# KiCad board demomatrix.kicad_pcb (continued)
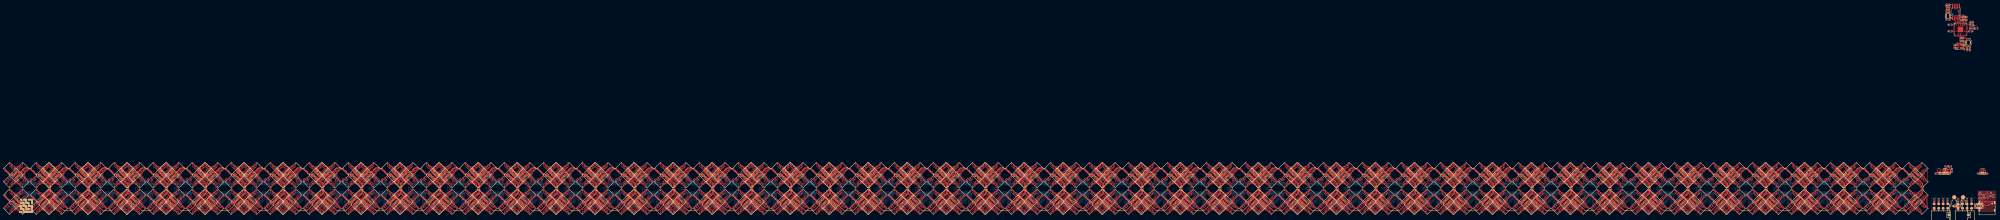
[diagram p0: board, top side]
## Nets (continued)
GND: C1.2 C2.2 C3.2 C4.2 C5.2 C6.2 C7.2 C8.2 C9.2 C10.2 C11.2 C12.2 C13.2 C14.2 C15.2 C16.2 C17.2 C18.2 C19.2 C20.2 C21.2 C22.2 C23.2 C24.2 C25.2 C26.2 C27.2 C28.2 C29.2 C30.2 C31.2 C32.2 C33.2 C34.2 C35.2 C36.2 C37.2 C38.2 C39.2 C40.2 C41.2 C42.2 C43.2 C44.2 C45.2 C46.2 C47.2 C48.2 C49.2 C50.2 C51.2 C52.2 C53.2 C54.2 C55.2 C56.2 C57.2 C58.2 C59.2 C60.2 C61.2 C62.2 C63.2 C64.2 C65.2 C66.2 C67.2 C68.2 C69.2 C70.2 C71.2 C72.2 C73.2 C74.2 C75.2 C76.2 C77.2 C78.2 C79.2 C80.2 C81.2 C82.2 C83.2 C84.2 C85.2 C86.2 C87.2 C88.2 C89.2 C90.2 C91.2 C92.2 C93.2 C94.2 C95.2 C96.2 C97.2 C98.2 C99.2 C100.2 C101.2 C102.2 C103.2 C104.2 C105.2 C106.2 C107.2 C108.2 C109.2 C110.2 C111.2 C112.2 C113.2 C114.2 C115.2 C116.2 C117.2 C118.2 C119.2 C120.2 C121.2 C122.2 C123.2 C124.2 C125.2 C126.2 C127.2 C128.2 C129.2 C130.2 C131.2 C132.2 C133.2 C134.2 C135.2 C136.2 C137.2 C138.2 C139.2 C140.2 C141.2 C142.2 C143.2 C144.2 C145.2 C146.2 C147.2 C148.2 C149.2 C150.2 C151.2 C152.2 C153.2 C154.2 C155.2 C156.2 C157.2 C158.2 C159.2 C160.2 C161.2 C162.2 C163.2 C164.2 C165.2 C166.2 C167.2 C168.2 C169.2 C170.2 C171.2 C172.2 C173.2 C174.2 C175.2 C176.2 C177.2 C178.2 C179.2 C180.2 C181.2 C182.2 C183.2 C184.2 C185.2 C186.2 C187.2 C188.2 C189.2 C190.2 C191.2 C192.2 C193.2 C194.2 C195.2 C196.2 C197.2 C198.2 C199.2 C200.2 C201.2 C202.2 C203.2 C204.2 C205.2 C206.2 C207.2 C208.2 C209.2 C210.2 C211.2 C212.2 C213.2 C214.2 C215.2 C216.2 C217.2 C218.2 C219.2 C220.2 C221.2 C222.2 C223.2 C224.2 C225.2 C226.2 C227.2 C228.2 C229.2 C230.2 C231.2 C232.2 C233.2 C234.2 C235.2 C236.2 C237.2 C238.2 C239.2 C240.2 C241.2 C242.2 C243.2 C244.2 C245.2 C246.2 C247.2 C248.2 C249.2 C250.2 C251.2 C252.2 C253.2 C254.2 C255.2 C256.2 C257.2 C258.2 C259.2 C260.2 C261.2 C262.2 C263.2 C264.2 C265.2 C266.2 C267.2 C268.2 C269.2 C270.2 C271.2 C272.2 C273.2 C274.2 C275.2 C276.2 C277.2 C278.2 C279.2 C280.2 C281.2 C282.2 C283.2 C284.2 C285.2 C286.2 C287.2 C288.2 C289.2 C290.2 C291.2 C292.2 C293.2 C294.2 C295.2 C296.2 C297.2 C298.2 C299.2 C300.2 C301.2 C302.2 C303.2 C304.2 C305.2 C306.2 C307.2 C308.2 C309.2 C310.2 C311.2 C312.2 C313.2 C314.2 C315.2 C316.2 C317.2 C318.2 C319.2 C320.2 C321.2 C322.2 C323.2 C324.2 C325.2 C326.2 C327.2 C328.2 C329.2 C330.2 C331.2 C332.2 C333.2 C334.2 C335.2 C336.2 C337.2 C338.2 C339.2 C340.2 C341.2 C342.2 C343.2 C344.2 C345.2 C346.2 C347.2 C348.2 C349.2 C350.2 C351.2 C352.2 C353.2 C354.2 C355.2 C356.2 C357.2 C358.2 C359.2 C360.2 C361.2 C362.2 C363.2 C364.2 C365.2 C366.2 C367.2 C368.2 C369.2 C370.2 C371.2 C372.2 C373.2 C374.2 C375.2 C376.2 C377.2 C378.2 C379.2 C380.2 C381.2 C382.2 C383.2 C384.2 C385.2 C386.2 C387.2 C388.2 C389.2 C390.2 C391.2 C392.2 C393.2 C394.2 C395.2 C396.2 C397.2 C398.2 C399.2 C400.2 C401.2 C402.2 C403.2 C404.2 C405.2 C406.2 C407.2 C408.2 C409.2 C410.2 C411.2 C412.2 C413.2 C414.2 C415.2 C416.2 C417.2 C418.2 C419.2 C420.2 C421.2 C422.2 C423.2 C424.2 C425.2 C426.2 C427.2 C428.2 C429.2 C430.2 C431.2 C432.2 C433.2 C434.2 C435.2 C436.2 C437.2 C438.2 C439.2 C440.2 C441.2 C442.2 C443.2 C444.2 C445.2 C446.2 C447.2 C448.2 C449.2 C450.2 C451.2 C452.2 C453.2 C454.2 C455.2 C456.2 C457.2 C458.2 C459.2 C460.2 C461.2 C462.2 C463.2 C464.2 C465.2 C466.2 C467.2 C468.2 C469.2 C470.2 CN1.2 D1.2 R1.2 R2.2 R3.2 R4.2 R5.2 R6.2 R7.2 R8.2 R9.2 R10.2 R11.2 R12.2 R13.2 R14.2 R15.2 R16.2 R17.2 R18.2 R19.2 R20.2 R21.2 R22.2 R23.2 R24.2 R25.2 R26.2 R27.2 R28.2 R29.2 R30.2 R31.2 R32.2 R33.2 R34.2 R35.2 R36.2 R37.2 R38.2 R39.2 R40.2 R41.2 R42.2 R43.2 R44.2 R45.2 R46.2 R47.2 R48.2 R49.2 R58.2 R60.2 R61.2 R64.1 R69.2 R70.2 SW1.1 SW1.2 SW2.1 SW2.2 SW3.3 SW3.4 SW4.3 SW4.4 U1.1 U6.1 U11.1 U16.1 U21.1 U26.1 U31.1 U36.1 U41.1 U46.1 U51.1 U56.1 U61.1 U66.1 U71.1 U76.1 U81.1 U86.1 U91.1 U96.1 U101.1 U106.1 U111.1 U116.1 U121.1 U126.1 U131.1 U136.1 U141.1 U146.1 U151.1 U156.1 U161.1 U166.1 U171.1 U176.1 U181.1 U186.1 U191.1 U196.1 U201.1 U206.1 U211.1 U216.1 U221.1 U226.1 U231.1 U236.1 U241.1 U246.2 U247.1 U247.3 U247.5 U247.7 U248.1 U248.3 U248.5 U248.7 U249.2 U250.2 U251.2 U252.19 U252.57 U253.4 U254.2 U255.2 U255.5 USB1.1 USB1.12 USB1.13 USB1.14 USB1.15 USB1.16 X1.2 X1.4
_3: CN1.3
_core_regulator_out_power-VCC: C451.1 C452.1 C453.1 U252.23 U252.45 U252.50
A: LED787.2 U252.37
B: U252.6 U255.4
cc[0]-line: R69.1 USB1.4
cc[1]-line: R70.1 USB1.10
chip_select: C450.1 R62.2 SW1.3 SW1.4 SW3.1 SW3.2 U252.56 U253.1
clock: U252.52 U253.6
clusters[0]-REXT: R1.1 U1.23
clusters[1]-REXT: R2.1 U6.23
clusters[2]-REXT: R3.1 U11.23
clusters[3]-REXT: R4.1 U16.23
clusters[4]-REXT: R5.1 U21.23
clusters[5]-REXT: R6.1 U26.23
clusters[6]-REXT: R7.1 U31.23
clusters[7]-REXT: R8.1 U36.23
clusters[8]-REXT: R9.1 U41.23
clusters[9]-REXT: R10.1 U46.23
clusters[10]-REXT: R11.1 U51.23
clusters[11]-REXT: R12.1 U56.23
clusters[12]-REXT: R13.1 U61.23
clusters[13]-REXT: R14.1 U66.23
clusters[14]-REXT: R15.1 U71.23
clusters[15]-REXT: R16.1 U76.23
clusters[16]-REXT: R17.1 U81.23
clusters[17]-REXT: R18.1 U86.23
clusters[18]-REXT: R19.1 U91.23
clusters[19]-REXT: R20.1 U96.23
clusters[20]-REXT: R21.1 U101.23
clusters[21]-REXT: R22.1 U106.23
clusters[22]-REXT: R23.1 U111.23
clusters[23]-REXT: R24.1 U116.23
clusters[24]-REXT: R25.1 U121.23
clusters[25]-REXT: R26.1 U126.23
clusters[26]-REXT: R27.1 U131.23
clusters[27]-REXT: R28.1 U136.23
clusters[28]-REXT: R29.1 U141.23
clusters[29]-REXT: R30.1 U146.23
clusters[30]-REXT: R31.1 U151.23
clusters[31]-REXT: R32.1 U156.23
clusters[32]-REXT: R33.1 U161.23
clusters[33]-REXT: R34.1 U166.23
clusters[34]-REXT: R35.1 U171.23
clusters[35]-REXT: R36.1 U176.23
clusters[36]-REXT: R37.1 U181.23
clusters[37]-REXT: R38.1 U186.23
clusters[38]-REXT: R39.1 U191.23
clusters[39]-REXT: R40.1 U196.23
clusters[40]-REXT: R41.1 U201.23
clusters[41]-REXT: R42.1 U206.23
clusters[42]-REXT: R43.1 U211.23
clusters[43]-REXT: R44.1 U216.23
clusters[44]-REXT: R45.1 U221.23
clusters[45]-REXT: R46.1 U226.23
clusters[46]-REXT: R47.1 U231.23
clusters[47]-REXT: R48.1 U236.23
clusters[48]-REXT: R49.1 U241.23
data_0: U252.53 U253.5
data_1: U252.55 U253.2
data_2: U252.54 U253.3
data_3: U252.51 U253.7
data_clock: R52.1 U1.3 U6.3 U11.3 U16.3 U21.3 U26.3 U31.3 U36.3 U41.3 U46.3 U51.3 U56.3 U61.3 U66.3 U71.3 U76.3 U81.3 U86.3 U91.3 U96.3 U101.3 U106.3 U111.3 U116.3 U121.3 U126.3 U131.3 U136.3 U141.3 U146.3 U151.3 U156.3 U161.3 U166.3 U171.3 U176.3 U181.3 U186.3 U191.3 U196.3 U201.3 U206.3 U211.3 U216.3 U221.3 U226.3 U231.3 U236.3 U241.3 U246.4
debug_header-_2-0: R50.2 U247.2
debug_header-_2-1: R54.2 U248.2
debug_header-_4-0: R51.2 U247.4
debug_header-_4-1: R55.2 U248.4
debug_header-_6-0: R52.2 U247.6
debug_header-_6-1: R56.2 U248.6
debug_header-_8-0: R53.2 U247.8
debug_header-_8-1: R57.2 U248.8
driver-sdi-SDI-0: U176.2
driver-sdi-SDI-1: U216.2
driver-sdo-line-0: U1.22 U6.2
driver-sdo-line-1: U46.22 U51.2
driver-sdo-line-2: U51.22 U56.2
driver-sdo-line-3: U56.22 U61.2
driver-sdo-line-4: U61.22 U66.2
driver-sdo-line-5: U66.22 U71.2
driver-sdo-line-6: U71.22 U76.2
driver-sdo-line-7: U76.22 U81.2
driver-sdo-line-8: U81.22 U86.2
driver-sdo-line-9: U86.22 U91.2
driver-sdo-line-10: U91.22 U96.2
driver-sdo-line-11: U96.22 U101.2
driver-sdo-line-12: U6.22 U11.2
driver-sdo-line-13: U101.22 U106.2
driver-sdo-line-14: U106.22 U111.2
driver-sdo-line-15: U111.22 U116.2
driver-sdo-line-16: U116.22 U121.2
driver-sdo-line-17: U121.22 U126.2
driver-sdo-line-18: U126.22 U131.2
driver-sdo-line-19: U131.22 U136.2
driver-sdo-line-20: U136.22 U141.2
driver-sdo-line-21: U141.22 U146.2
driver-sdo-line-22: U146.22 U151.2
driver-sdo-line-23: U11.22 U16.2
driver-sdo-line-24: U151.22 U156.2
driver-sdo-line-25: U156.22 U161.2
driver-sdo-line-26: U161.22 U166.2
driver-sdo-line-27: U166.22 U171.2
driver-sdo-line-28: U176.22 U181.2
driver-sdo-line-29: U181.22 U186.2
driver-sdo-line-30: U186.22 U191.2
driver-sdo-line-31: U191.22 U196.2
driver-sdo-line-32: U196.22 U201.2
driver-sdo-line-33: U16.22 U21.2
driver-sdo-line-34: U201.22 U206.2
driver-sdo-line-35: U206.22 U211.2
driver-sdo-line-36: U216.22 U221.2
driver-sdo-line-37: U221.22 U226.2
driver-sdo-line-38: U226.22 U231.2
driver-sdo-line-39: U231.22 U236.2
driver-sdo-line-40: U236.22 U241.2
driver-sdo-line-41: U21.22 U26.2
driver-sdo-line-42: U26.22 U31.2
driver-sdo-line-43: U31.22 U36.2
driver-sdo-line-44: U36.22 U41.2
driver-sdo-line-45: U41.22 U46.2
driver-sdo-SDO-0: U171.22
driver-sdo-SDO-1: U211.22
footprint-_4: CN1.4
footprint-cathode-0: LED785.1 R60.1
footprint-cathode-1: LED786.1 R61.1
global_clock: R53.1 U1.21 U6.21 U11.21 U16.21 U21.21 U26.21 U31.21 U36.21 U41.21 U46.21 U51.21 U56.21 U61.21 U66.21 U71.21 U76.21 U81.21 U86.21 U91.21 U96.21 U101.21 U106.21 U111.21 U116.21 U121.21 U126.21 U131.21 U136.21 U141.21 U146.21 U151.21 U156.21 U161.21 U166.21 U171.21 U176.21 U181.21 U186.21 U191.21 U196.21 U201.21 U206.21 U211.21 U216.21 U221.21 U226.21 U231.21 U236.21 U241.21 U249.4
GPIO5: U252.7
GPIO6: U252.8
GPIO7: U252.9
GPIO8: U252.11
GPIO9: U252.12
GPIO10: U252.13
GPIO11: U252.14
GPIO12: U252.15
GPIO13: U252.16
GPIO14: U252.17
GPIO15: U252.18
GPIO16: U252.27
GPIO17: U252.28
GPIO21: U252.32
GPIO22: U252.34
GPIO23: U252.35
GPIO24: U252.36
gpio[26]-line: U252.38
gpio[27]-line: U252.39
gpio[28]-line: U252.40
gpio[29]-line: U252.41
headers[1]-uart-RX: R57.1
input: C465.1 R65.2 R68.1 SW2.3 SW2.4 SW4.1 SW4.2 U252.26
K: LED787.1 R64.2
latch: R54.1 U1.4 U6.4 U11.4 U16.4 U21.4 U26.4 U31.4 U36.4 U41.4 U46.4 U51.4 U56.4 U61.4 U66.4 U71.4 U76.4 U81.4 U86.4 U91.4 U96.4 U101.4 U106.4 U111.4 U116.4 U121.4 U126.4 U131.4 U136.4 U141.4 U146.4 U151.4 U156.4 U161.4 U166.4 U171.4 U176.4 U181.4 U186.4 U191.4 U196.4 U201.4 U206.4 U211.4 U216.4 U221.4 U226.4 U231.4 U236.4 U241.4 U250.4
micro-uart-RX: U246.3 U252.3
output: C455.1 R63.1 X1.3
power_5v: C9.1 C18.1 C27.1 C36.1 C45.1 C54.1 C63.1 C72.1 C81.1 C90.1 C99.1 C108.1 C117.1 C126.1 C135.1 C144.1 C153.1 C162.1 C171.1 C180.1 C189.1 C198.1 C207.1 C216.1 C225.1 C234.1 C243.1 C252.1 C261.1 C270.1 C279.1 C288.1 C297.1 C306.1 C315.1 C324.1 C333.1 C342.1 C351.1 C360.1 C369.1 C378.1 C387.1 C396.1 C405.1 C414.1 C423.1 C432.1 C441.1 C443.1 C445.1 C447.1 C448.1 C467.1 C468.1 C470.1 D1.5 F1.2 LED786.2 R55.1 U1.24 U6.24 U11.24 U16.24 U21.24 U26.24 U31.24 U36.24 U41.24 U46.24 U51.24 U56.24 U61.24 U66.24 U71.24 U76.24 U81.24 U86.24 U91.24 U96.24 U101.24 U106.24 U111.24 U116.24 U121.24 U126.24 U131.24 U136.24 U141.24 U146.24 U151.24 U156.24 U161.24 U166.24 U171.24 U176.24 U181.24 U186.24 U191.24 U196.24 U201.24 U206.24 U211.24 U216.24 U221.24 U226.24 U231.24 U236.24 U241.24 U246.6 U249.6 U250.6 U251.1 U251.3 U254.6 U255.1
power_leds: C1.1 C2.1 C3.1 C4.1 C5.1 C6.1 C7.1 C8.1 C10.1 C11.1 C12.1 C13.1 C14.1 C15.1 C16.1 C17.1 C19.1 C20.1 C21.1 C22.1 C23.1 C24.1 C25.1 C26.1 C28.1 C29.1 C30.1 C31.1 C32.1 C33.1 C34.1 C35.1 C37.1 C38.1 C39.1 C40.1 C41.1 C42.1 C43.1 C44.1 C46.1 C47.1 C48.1 C49.1 C50.1 C51.1 C52.1 C53.1 C55.1 C56.1 C57.1 C58.1 C59.1 C60.1 C61.1 C62.1 C64.1 C65.1 C66.1 C67.1 C68.1 C69.1 C70.1 C71.1 C73.1 C74.1 C75.1 C76.1 C77.1 C78.1 C79.1 C80.1 C82.1 C83.1 C84.1 C85.1 C86.1 C87.1 C88.1 C89.1 C91.1 C92.1 C93.1 C94.1 C95.1 C96.1 C97.1 C98.1 C100.1 C101.1 C102.1 C103.1 C104.1 C105.1 C106.1 C107.1 C109.1 C110.1 C111.1 C112.1 C113.1 C114.1 C115.1 C116.1 C118.1 C119.1 C120.1 C121.1 C122.1 C123.1 C124.1 C125.1 C127.1 C128.1 C129.1 C130.1 C131.1 C132.1 C133.1 C134.1 C136.1 C137.1 C138.1 C139.1 C140.1 C141.1 C142.1 C143.1 C145.1 C146.1 C147.1 C148.1 C149.1 C150.1 C151.1 C152.1 C154.1 C155.1 C156.1 C157.1 C158.1 C159.1 C160.1 C161.1 C163.1 C164.1 C165.1 C166.1 C167.1 C168.1 C169.1 C170.1 C172.1 C173.1 C174.1 C175.1 C176.1 C177.1 C178.1 C179.1 C181.1 C182.1 C183.1 C184.1 C185.1 C186.1 C187.1 C188.1 C190.1 C191.1 C192.1 C193.1 C194.1 C195.1 C196.1 C197.1 C199.1 C200.1 C201.1 C202.1 C203.1 C204.1 C205.1 C206.1 C208.1 C209.1 C210.1 C211.1 C212.1 C213.1 C214.1 C215.1 C217.1 C218.1 C219.1 C220.1 C221.1 C222.1 C223.1 C224.1 C226.1 C227.1 C228.1 C229.1 C230.1 C231.1 C232.1 C233.1 C235.1 C236.1 C237.1 C238.1 C239.1 C240.1 C241.1 C242.1 C244.1 C245.1 C246.1 C247.1 C248.1 C249.1 C250.1 C251.1 C253.1 C254.1 C255.1 C256.1 C257.1 C258.1 C259.1 C260.1 C262.1 C263.1 C264.1 C265.1 C266.1 C267.1 C268.1 C269.1 C271.1 C272.1 C273.1 C274.1 C275.1 C276.1 C277.1 C278.1 C280.1 C281.1 C282.1 C283.1 C284.1 C285.1 C286.1 C287.1 C289.1 C290.1 C291.1 C292.1 C293.1 C294.1 C295.1 C296.1 C298.1 C299.1 C300.1 C301.1 C302.1 C303.1 C304.1 C305.1 C307.1 C308.1 C309.1 C310.1 C311.1 C312.1 C313.1 C314.1 C316.1 C317.1 C318.1 C319.1 C320.1 C321.1 C322.1 C323.1 C325.1 C326.1 C327.1 C328.1 C329.1 C330.1 C331.1 C332.1 C334.1 C335.1 C336.1 C337.1 C338.1 C339.1 C340.1 C341.1 C343.1 C344.1 C345.1 C346.1 C347.1 C348.1 C349.1 C350.1 C352.1 C353.1 C354.1 C355.1 C356.1 C357.1 C358.1 C359.1 C361.1 C362.1 C363.1 C364.1 C365.1 C366.1 C367.1 C368.1 C370.1 C371.1 C372.1 C373.1 C374.1 C375.1 C376.1 C377.1 C379.1 C380.1 C381.1 C382.1 C383.1 C384.1 C385.1 C386.1 C388.1 C389.1 C390.1 C391.1 C392.1 C393.1 C394.1 C395.1 C397.1 C398.1 C399.1 C400.1 C401.1 C402.1 C403.1 C404.1 C406.1 C407.1 C408.1 C409.1 C410.1 C411.1 C412.1 C413.1 C415.1 C416.1 C417.1 C418.1 C419.1 C420.1 C421.1 C422.1 C424.1 C425.1 C426.1 C427.1 C428.1 C429.1 C430.1 C431.1 C433.1 C434.1 C435.1 C436.1 C437.1 C438.1 C439.1 C440.1 CN1.1 LED1.2 LED1.4 LED1.6 LED1.8 LED5.2 LED5.4 LED5.6 LED5.8 LED9.2 LED9.4 LED9.6 LED9.8 LED13.2 LED13.4 LED13.6 LED13.8 LED17.2 LED17.4 LED17.6 LED17.8 LED21.2 LED21.4 LED21.6 LED21.8 LED25.2 LED25.4 LED25.6 LED25.8 LED29.2 LED29.4 LED29.6 LED29.8 LED33.2 LED33.4 LED33.6 LED33.8 LED37.2 LED37.4 LED37.6 LED37.8 LED41.2 LED41.4 LED41.6 LED41.8 LED45.2 LED45.4 LED45.6 LED45.8 LED49.2 LED49.4 LED49.6 LED49.8 LED53.2 LED53.4 LED53.6 LED53.8 LED57.2 LED57.4 LED57.6 LED57.8 LED61.2 LED61.4 LED61.6 LED61.8 LED65.2 LED65.4 LED65.6 LED65.8 LED69.2 LED69.4 LED69.6 LED69.8 LED73.2 LED73.4 LED73.6 LED73.8 LED77.2 LED77.4 LED77.6 LED77.8 LED81.2 LED81.4 LED81.6 LED81.8 LED85.2 LED85.4 LED85.6 LED85.8 LED89.2 LED89.4 LED89.6 LED89.8 LED93.2 LED93.4 LED93.6 LED93.8 LED97.2 LED97.4 LED97.6 LED97.8 LED101.2 LED101.4 LED101.6 LED101.8 LED105.2 LED105.4 LED105.6 LED105.8 LED109.2 LED109.4 LED109.6 LED109.8 LED113.2 LED113.4 LED113.6 LED113.8 LED117.2 LED117.4 LED117.6 LED117.8 LED121.2 LED121.4 LED121.6 LED121.8 LED125.2 LED125.4 LED125.6 LED125.8 LED129.2 LED129.4 LED129.6 LED129.8 LED133.2 LED133.4 LED133.6 LED133.8 LED137.2 LED137.4 LED137.6 LED137.8 LED141.2 LED141.4 LED141.6 LED141.8 LED145.2 LED145.4 LED145.6 LED145.8 LED149.2 LED149.4 LED149.6 LED149.8 LED153.2 LED153.4 LED153.6 LED153.8 LED157.2 LED157.4 LED157.6 LED157.8 LED161.2 LED161.4 LED161.6 LED161.8 LED165.2 LED165.4 LED165.6 LED165.8 LED169.2 LED169.4 LED169.6 LED169.8 LED173.2 LED173.4 LED173.6 LED173.8 LED177.2 LED177.4 LED177.6 LED177.8 LED181.2 LED181.4 LED181.6 LED181.8 LED185.2 LED185.4 LED185.6 LED185.8 LED189.2 LED189.4 LED189.6 LED189.8 LED193.2 LED193.4 LED193.6 LED193.8 LED197.2 LED197.4 LED197.6 LED197.8 LED201.2 LED201.4 LED201.6 LED201.8 LED205.2 LED205.4 LED205.6 LED205.8 LED209.2 LED209.4 LED209.6 LED209.8 LED213.2 LED213.4 LED213.6 LED213.8 LED217.2 LED217.4 LED217.6 LED217.8 LED221.2 LED221.4 LED221.6 LED221.8 LED225.2 LED225.4 LED225.6 LED225.8 LED229.2 LED229.4 LED229.6 LED229.8 LED233.2 LED233.4 LED233.6 LED233.8 LED237.2 LED237.4 LED237.6 LED237.8 LED241.2 LED241.4 LED241.6 LED241.8 LED245.2 LED245.4 LED245.6 LED245.8 LED249.2 LED249.4 LED249.6 LED249.8 LED253.2 LED253.4 LED253.6 LED253.8 LED257.2 LED257.4 LED257.6 LED257.8 LED261.2 LED261.4 LED261.6 LED261.8 LED265.2 LED265.4 LED265.6 LED265.8 LED269.2 LED269.4 LED269.6 LED269.8 LED273.2 LED273.4 LED273.6 LED273.8 LED277.2 LED277.4 LED277.6 LED277.8 LED281.2 LED281.4 LED281.6 LED281.8 LED285.2 LED285.4 LED285.6 LED285.8 LED289.2 LED289.4 LED289.6 LED289.8 LED293.2 LED293.4 LED293.6 LED293.8 LED297.2 LED297.4 LED297.6 LED297.8 LED301.2 LED301.4 LED301.6 LED301.8 LED305.2 LED305.4 LED305.6 LED305.8 LED309.2 LED309.4 LED309.6 LED309.8 LED313.2 LED313.4 LED313.6 LED313.8 LED317.2 LED317.4 LED317.6 LED317.8 LED321.2 LED321.4 LED321.6 LED321.8 LED325.2 LED325.4 LED325.6 LED325.8 LED329.2 LED329.4 LED329.6 LED329.8 LED333.2 LED333.4 LED333.6 LED333.8 LED337.2 LED337.4 LED337.6 LED337.8 LED341.2 LED341.4 LED341.6 LED341.8 LED345.2 LED345.4 LED345.6 LED345.8 LED349.2 LED349.4 LED349.6 LED349.8 LED353.2 LED353.4 LED353.6 LED353.8 LED357.2 LED357.4 LED357.6 LED357.8 LED361.2 LED361.4 LED361.6 LED361.8 LED365.2 LED365.4 LED365.6 LED365.8 LED369.2 LED369.4 LED369.6 LED369.8 LED373.2 LED373.4 LED373.6 LED373.8 LED377.2 LED377.4 LED377.6 LED377.8 LED381.2 LED381.4 LED381.6 LED381.8 LED385.2 LED385.4 LED385.6 LED385.8 LED389.2 LED389.4 LED389.6 LED389.8 LED393.2 LED393.4 LED393.6 LED393.8 LED397.2 LED397.4 LED397.6 LED397.8 LED401.2 LED401.4 LED401.6 LED401.8 LED405.2 LED405.4 LED405.6 LED405.8 LED409.2 LED409.4 LED409.6 LED409.8 LED413.2 LED413.4 LED413.6 LED413.8 LED417.2 LED417.4 LED417.6 LED417.8 LED421.2 LED421.4 LED421.6 LED421.8 LED425.2 LED425.4 LED425.6 LED425.8 LED429.2 LED429.4 LED429.6 LED429.8 LED433.2 LED433.4 LED433.6 LED433.8 LED437.2 LED437.4 LED437.6 LED437.8 LED441.2 LED441.4 LED441.6 LED441.8 LED445.2 LED445.4 LED445.6 LED445.8 LED449.2 LED449.4 LED449.6 LED449.8 LED453.2 LED453.4 LED453.6 LED453.8 LED457.2 LED457.4 LED457.6 LED457.8 LED461.2 LED461.4 LED461.6 LED461.8 LED465.2 LED465.4 LED465.6 LED465.8 LED469.2 LED469.4 LED469.6 LED469.8 LED473.2 LED473.4 LED473.6 LED473.8 LED477.2 LED477.4 LED477.6 LED477.8 LED481.2 LED481.4 LED481.6 LED481.8 LED485.2 LED485.4 LED485.6 LED485.8 LED489.2 LED489.4 LED489.6 LED489.8 LED493.2 LED493.4 LED493.6 LED493.8 LED497.2 LED497.4 LED497.6 LED497.8 LED501.2 LED501.4 LED501.6 LED501.8 LED505.2 LED505.4 LED505.6 LED505.8 LED509.2 LED509.4 LED509.6 LED509.8 LED513.2 LED513.4 LED513.6 LED513.8 LED517.2 LED517.4 LED517.6 LED517.8 LED521.2 LED521.4 LED521.6 LED521.8 LED525.2 LED525.4 LED525.6 LED525.8 LED529.2 LED529.4 LED529.6 LED529.8 LED533.2 LED533.4 LED533.6 LED533.8 LED537.2 LED537.4 LED537.6 LED537.8 LED541.2 LED541.4 LED541.6 LED541.8 LED545.2 LED545.4 LED545.6 LED545.8 LED549.2 LED549.4 LED549.6 LED549.8 LED553.2 LED553.4 LED553.6 LED553.8 LED557.2 LED557.4 LED557.6 LED557.8 LED561.2 LED561.4 LED561.6 LED561.8 LED565.2 LED565.4 LED565.6 LED565.8 LED569.2 LED569.4 LED569.6 LED569.8 LED573.2 LED573.4 LED573.6 LED573.8 LED577.2 LED577.4 LED577.6 LED577.8 LED581.2 LED581.4 LED581.6 LED581.8 LED585.2 LED585.4 LED585.6 LED585.8 LED589.2 LED589.4 LED589.6 LED589.8 LED593.2 LED593.4 LED593.6 LED593.8 LED597.2 LED597.4 LED597.6 LED597.8 LED601.2 LED601.4 LED601.6 LED601.8 LED605.2 LED605.4 LED605.6 LED605.8 LED609.2 LED609.4 LED609.6 LED609.8 LED613.2 LED613.4 LED613.6 LED613.8 LED617.2 LED617.4 LED617.6 LED617.8 LED621.2 LED621.4 LED621.6 LED621.8 LED625.2 LED625.4 LED625.6 LED625.8 LED629.2 LED629.4 LED629.6 LED629.8 LED633.2 LED633.4 LED633.6 LED633.8 LED637.2 LED637.4 LED637.6 LED637.8 LED641.2 LED641.4 LED641.6 LED641.8 LED645.2 LED645.4 LED645.6 LED645.8 LED649.2 LED649.4 LED649.6 LED649.8 LED653.2 LED653.4 LED653.6 LED653.8 LED657.2 LED657.4 LED657.6 LED657.8 LED661.2 LED661.4 LED661.6 LED661.8 LED665.2 LED665.4 LED665.6 LED665.8 LED669.2 LED669.4 LED669.6 LED669.8 LED673.2 LED673.4 LED673.6 LED673.8 LED677.2 LED677.4 LED677.6 LED677.8 LED681.2 LED681.4 LED681.6 LED681.8 LED685.2 LED685.4 LED685.6 LED685.8 LED689.2 LED689.4 LED689.6 LED689.8 LED693.2 LED693.4 LED693.6 LED693.8 LED697.2 LED697.4 LED697.6 LED697.8 LED701.2 LED701.4 LED701.6 LED701.8 LED705.2 LED705.4 LED705.6 LED705.8 LED709.2 LED709.4 LED709.6 LED709.8 LED713.2 LED713.4 LED713.6 LED713.8 LED717.2 LED717.4 LED717.6 LED717.8 LED721.2 LED721.4 LED721.6 LED721.8 LED725.2 LED725.4 LED725.6 LED725.8 LED729.2 LED729.4 LED729.6 LED729.8 LED733.2 LED733.4 LED733.6 LED733.8 LED737.2 LED737.4 LED737.6 LED737.8 LED741.2 LED741.4 LED741.6 LED741.8 LED745.2 LED745.4 LED745.6 LED745.8 LED749.2 LED749.4 LED749.6 LED749.8 LED753.2 LED753.4 LED753.6 LED753.8 LED757.2 LED757.4 LED757.6 LED757.8 LED761.2 LED761.4 LED761.6 LED761.8 LED765.2 LED765.4 LED765.6 LED765.8 LED769.2 LED769.4 LED769.6 LED769.8 LED773.2 LED773.4 LED773.6 LED773.8 LED777.2 LED777.4 LED777.6 LED777.8 LED781.2 LED781.4 LED781.6 LED781.8
power_vbus-VCC: F1.1 USB1.2 USB1.11
rgbs[1]-anodes-anode-0: LED1.3 LED2.4
rgbs[1]-anodes-anode-1: LED1.1 LED2.2
rgbs[1]-anodes-anode-2: LED1.5 LED2.6
rgbs[1]-anodes-anode-3: LED1.7 LED2.8
rgbs[1]-anodes-anode-4: LED5.3 LED6.4
rgbs[1]-anodes-anode-5: LED5.1 LED6.2
rgbs[1]-anodes-anode-6: LED5.5 LED6.6
rgbs[1]-anodes-anode-7: LED5.7 LED6.8
rgbs[1]-anodes-anode-8: LED9.3 LED10.4
rgbs[1]-anodes-anode-9: LED9.1 LED10.2
rgbs[1]-anodes-anode-10: LED9.5 LED10.6
rgbs[1]-anodes-anode-11: LED9.7 LED10.8
rgbs[1]-anodes-anode-12: LED13.3 LED14.4
rgbs[1]-anodes-anode-13: LED13.1 LED14.2
rgbs[1]-anodes-anode-14: LED13.5 LED14.6
rgbs[1]-anodes-anode-15: LED13.7 LED14.8
rgbs[1]-anodes-anode-16: LED161.3 LED162.4
rgbs[1]-anodes-anode-17: LED161.1 LED162.2
rgbs[1]-anodes-anode-18: LED161.5 LED162.6
rgbs[1]-anodes-anode-19: LED161.7 LED162.8
rgbs[1]-anodes-anode-20: LED165.3 LED166.4
rgbs[1]-anodes-anode-21: LED165.1 LED166.2
rgbs[1]-anodes-anode-22: LED165.5 LED166.6
rgbs[1]-anodes-anode-23: LED165.7 LED166.8
rgbs[1]-anodes-anode-24: LED169.3 LED170.4
rgbs[1]-anodes-anode-25: LED169.1 LED170.2
rgbs[1]-anodes-anode-26: LED169.5 LED170.6
rgbs[1]-anodes-anode-27: LED169.7 LED170.8
rgbs[1]-anodes-anode-28: LED173.3 LED174.4
rgbs[1]-anodes-anode-29: LED173.1 LED174.2
rgbs[1]-anodes-anode-30: LED173.5 LED174.6
rgbs[1]-anodes-anode-31: LED173.7 LED174.8
rgbs[1]-anodes-anode-32: LED177.3 LED178.4
rgbs[1]-anodes-anode-33: LED177.1 LED178.2
rgbs[1]-anodes-anode-34: LED177.5 LED178.6
rgbs[1]-anodes-anode-35: LED177.7 LED178.8
rgbs[1]-anodes-anode-36: LED181.3 LED182.4
rgbs[1]-anodes-anode-37: LED181.1 LED182.2
rgbs[1]-anodes-anode-38: LED181.5 LED182.6
rgbs[1]-anodes-anode-39: LED181.7 LED182.8
rgbs[1]-anodes-anode-40: LED185.3 LED186.4
rgbs[1]-anodes-anode-41: LED185.1 LED186.2
rgbs[1]-anodes-anode-42: LED185.5 LED186.6
rgbs[1]-anodes-anode-43: LED185.7 LED186.8
rgbs[1]-anodes-anode-44: LED189.3 LED190.4
rgbs[1]-anodes-anode-45: LED189.1 LED190.2
rgbs[1]-anodes-anode-46: LED189.5 LED190.6
rgbs[1]-anodes-anode-47: LED189.7 LED190.8
rgbs[1]-anodes-anode-48: LED193.3 LED194.4
rgbs[1]-anodes-anode-49: LED193.1 LED194.2
rgbs[1]-anodes-anode-50: LED193.5 LED194.6
rgbs[1]-anodes-anode-51: LED193.7 LED194.8
rgbs[1]-anodes-anode-52: LED197.3 LED198.4
rgbs[1]-anodes-anode-53: LED197.1 LED198.2
rgbs[1]-anodes-anode-54: LED197.5 LED198.6
rgbs[1]-anodes-anode-55: LED197.7 LED198.8
rgbs[1]-anodes-anode-56: LED201.3 LED202.4
rgbs[1]-anodes-anode-57: LED201.1 LED202.2
rgbs[1]-anodes-anode-58: LED201.5 LED202.6
rgbs[1]-anodes-anode-59: LED201.7 LED202.8
rgbs[1]-anodes-anode-60: LED205.3 LED206.4
rgbs[1]-anodes-anode-61: LED205.1 LED206.2
rgbs[1]-anodes-anode-62: LED205.5 LED206.6
rgbs[1]-anodes-anode-63: LED205.7 LED206.8
rgbs[1]-anodes-anode-64: LED209.3 LED210.4
rgbs[1]-anodes-anode-65: LED209.1 LED210.2
rgbs[1]-anodes-anode-66: LED209.5 LED210.6
rgbs[1]-anodes-anode-67: LED209.7 LED210.8
rgbs[1]-anodes-anode-68: LED213.3 LED214.4
rgbs[1]-anodes-anode-69: LED213.1 LED214.2
rgbs[1]-anodes-anode-70: LED213.5 LED214.6
rgbs[1]-anodes-anode-71: LED213.7 LED214.8
rgbs[1]-anodes-anode-72: LED217.3 LED218.4
rgbs[1]-anodes-anode-73: LED217.1 LED218.2
rgbs[1]-anodes-anode-74: LED217.5 LED218.6
rgbs[1]-anodes-anode-75: LED217.7 LED218.8
rgbs[1]-anodes-anode-76: LED221.3 LED222.4
rgbs[1]-anodes-anode-77: LED221.1 LED222.2
rgbs[1]-anodes-anode-78: LED221.5 LED222.6
rgbs[1]-anodes-anode-79: LED221.7 LED222.8
rgbs[1]-anodes-anode-80: LED225.3 LED226.4
rgbs[1]-anodes-anode-81: LED225.1 LED226.2
rgbs[1]-anodes-anode-82: LED225.5 LED226.6
rgbs[1]-anodes-anode-83: LED225.7 LED226.8
rgbs[1]-anodes-anode-84: LED229.3 LED230.4
rgbs[1]-anodes-anode-85: LED229.1 LED230.2
rgbs[1]-anodes-anode-86: LED229.5 LED230.6
rgbs[1]-anodes-anode-87: LED229.7 LED230.8
rgbs[1]-anodes-anode-88: LED233.3 LED234.4
rgbs[1]-anodes-anode-89: LED233.1 LED234.2
rgbs[1]-anodes-anode-90: LED233.5 LED234.6
rgbs[1]-anodes-anode-91: LED233.7 LED234.8
rgbs[1]-anodes-anode-92: LED237.3 LED238.4
rgbs[1]-anodes-anode-93: LED237.1 LED238.2
rgbs[1]-anodes-anode-94: LED237.5 LED238.6
rgbs[1]-anodes-anode-95: LED237.7 LED238.8
rgbs[1]-anodes-anode-96: LED241.3 LED242.4
rgbs[1]-anodes-anode-97: LED241.1 LED242.2
rgbs[1]-anodes-anode-98: LED241.5 LED242.6
rgbs[1]-anodes-anode-99: LED241.7 LED242.8
rgbs[1]-anodes-anode-100: LED245.3 LED246.4
rgbs[1]-anodes-anode-101: LED245.1 LED246.2
rgbs[1]-anodes-anode-102: LED245.5 LED246.6
rgbs[1]-anodes-anode-103: LED245.7 LED246.8
rgbs[1]-anodes-anode-104: LED249.3 LED250.4
rgbs[1]-anodes-anode-105: LED249.1 LED250.2
rgbs[1]-anodes-anode-106: LED249.5 LED250.6
rgbs[1]-anodes-anode-107: LED249.7 LED250.8
rgbs[1]-anodes-anode-108: LED253.3 LED254.4
rgbs[1]-anodes-anode-109: LED253.1 LED254.2
rgbs[1]-anodes-anode-110: LED253.5 LED254.6
rgbs[1]-anodes-anode-111: LED253.7 LED254.8
rgbs[1]-anodes-anode-112: LED257.3 LED258.4
rgbs[1]-anodes-anode-113: LED257.1 LED258.2